# Altium PCB PCBV1.0.PcbDoc (part 1 of 2) (continued)
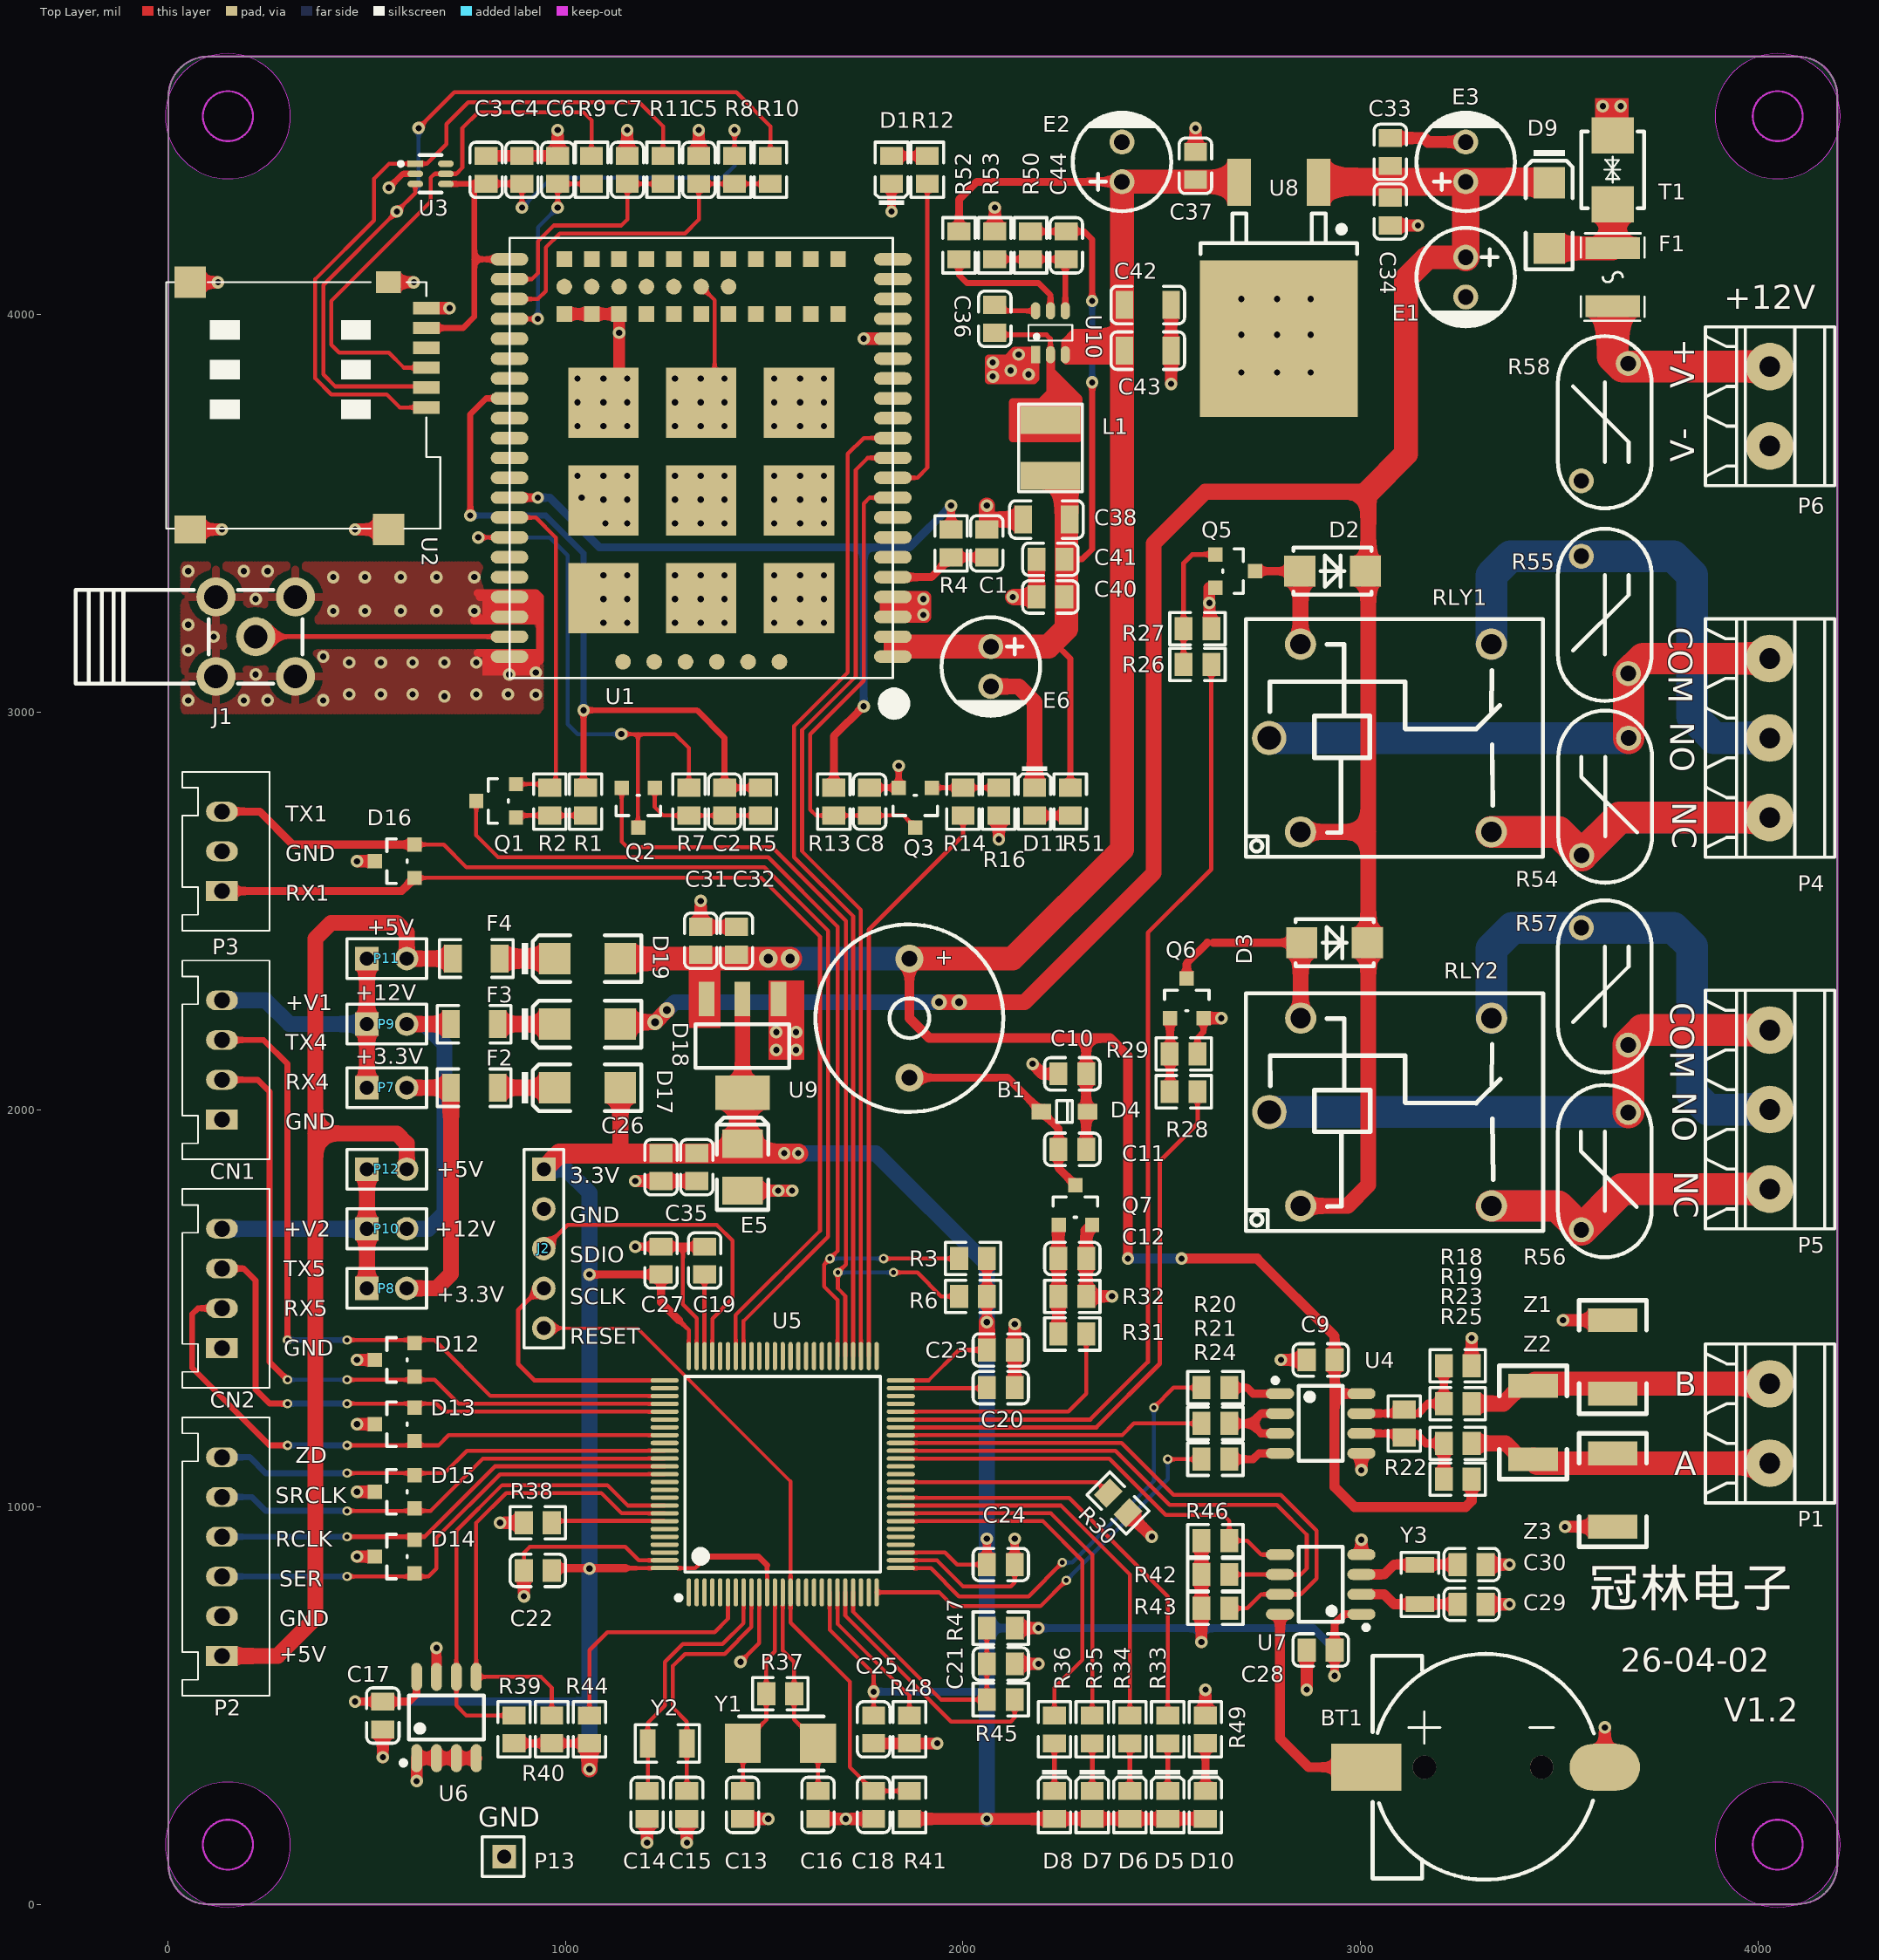
[diagram p0: Top Layer view]
## Components (designator, comment, footprint, x,y, rotation, side; value= is the part's Value field where it differs from the comment) (continued)
D11 "NCD0805R1" LC-0805_LED_S1 2180,2775 r270 top
D12 "PESD5V0L2BT,215" SOT-23 620,1328 r90 top
D13 "PESD5V0L2BT,215" SOT-23 620,1166 r90 top
D14 "PESD5V0L2BT,215" SOT-23 620,833 r90 top
D15 "PESD5V0L2BT,215" SOT-23 620,996 r90 top
D16 "PESD5V0L2BT,215" SOT-23 620,2583 r90 top
D17 "SS14" LC-SMA(DO-214AC)_S5 1055,2055 r0 top
D18 "SS14" LC-SMA(DO-214AC)_S5 1055,2215 r0 top
D19 "SS14" LC-SMA(DO-214AC)_S5 1055,2380 r0 top
E1 "220uF/25V" CAP-TH_BD6.3-P2.50 3265,4095 r180 top value=470uF
E2 "220uF/25V" CAP-TH_BD6.3-P2.50 2400,4385 r0 top
E3 "220uF/25V" CAP-TH_BD6.3-P2.50 3265,4385 r0 top
E5 "100uF/10V" 3528_B 1445,1855 r90 top value=10uF
E6 "220uF/25V" CAP-TH_BD6.3-P2.50 2070,3115 r180 top value=470uF/10V
F1 "JK-MSMD110-24V" F1812 3635,4095 r90 top
F2 "JK-NSMD025-24V" LC-1206_R 770,2055 r180 top
F3 "JK-NSMD025-24V" LC-1206_R 770,2215 r180 top
F4 "JK-NSMD025-24V" LC-1206_R 775,2380 r180 top
J1 "IPEX" ANT-TH_KH-SMA-K513-G 220,3190 r0 bottom
J2 "SWD" HDR1X5 945,1850 r270 top
L1 "SWPA4030S3R3MT" LC-4.0*4.0 2220,3665 r270 top value=10mH
P1 "5.08-2P" MKDSN_2RMI 4030,1110 r90 top
P2 "2.54-6P" 6PIN 135,625 r90 top
P3 "2.54-3P" 3PIN 135,2550 r90 top
P4 "5.08-3P" 5.08-3P 4030,2735 r90 top
P5 "5.08-3P" 5.08-3P 4030,1800 r90 top
P6 "5.08-2P" MKDSN_2RMI 4030,3670 r90 top
P7 "H2P" HDR1X2#1 500,2055 r0 top
P8 "H2P" HDR1X2#1 500,1550 r0 top
P9 "H2P" HDR1X2#1 500,2215 r0 top
P10 "H2P" HDR1X2#1 500,1700 r0 top
P11 "H2P" HDR1X2#1 500,2380 r0 top
P12 "H2P" HDR1X2#1 500,1850 r0 top
P13 "GND" HDR1X2#2 845,120 r180 top
Q1 "S8050 J3Y" SOT-23 875,2735 r90 top
Q2 "S8050 J3Y" SOT-23 1225,2810 r180 top
Q3 "S8050 J3Y" SOT-23 1922,2810 r180 top
Q5 "S8050 J3Y" SOT-23 2635,3397 r270 top
Q6 "S8050 J3Y" SOT-23 2521,2230 r0 top
Q7 "S8050 J3Y" SOT-23 2241,1710 r0 top
R1 "10K" LC-0805_R 1050,2775 r270 top
R2 "47K" LC-0805_R 960,2775 r270 top
R3 "4.7K" LC-0805_R 2025,1625 r180 top
R4 "10K" LC-0805_R 1970,3425 r90 top value=1K
R5 "10K" LC-0805_R 1490,2775 r270 top
R6 "4.7K" LC-0805_R 2025,1530 r180 top
R7 "47K" LC-0805_R 1310,2775 r270 top
R8 "22R" LC-0805_R 1425,4365 r90 top
R9 "22R" LC-0805_R 1065,4365 r90 top
R10 "22R" LC-0805_R 1515,4365 r270 top
R11 "22R" LC-0805_R 1245,4365 r90 top
R12 "3K" LC-0805_R 1910,4365 r270 top
R13 "100K" LC-0805_R 1675,2774.96 r90 top
R14 "4.7K" LC-0805_R 2000,2775 r90 top
R16 "47K" LC-0805_R 2090,2775.04 r90 top
R18 "47K" LC-0805_R 3245,1355 r0 top
R19 "22R" LC-0805_R 3245,1260 r0 top
R20 "22R" LC-0805_R 2635,1300 r0 top
R21 "22R" LC-0805_R 2635,1210 r0 top
R22 "1K" LC-0805_R 3110,1209.96 r90 top
R23 "22R" LC-0805_R 3245,1160 r0 top
R24 "22R" LC-0805_R 2635,1120 r0 top
R25 "47K" LC-0805_R 3245,1070 r180 top
R26 "4.7k" LC-0805_R 2590,3120 r180 top
R27 "47K" LC-0805_R 2590,3210 r180 top
R28 "4.7k" LC-0805_R 2555,2045 r180 top
R29 "47K" LC-0805_R 2555,2140 r180 top
R30 "10K" LC-0805_R 2390,1010 r315 top
R31 "4.7K" LC-0805_R 2275,1435 r180 top
R32 "3.3K" LC-0805_R 2275,1530 r180 top
R33 "2K" LC-0805_R 2515,439.96 r270 top
R34 "2K" LC-0805_R 2420,439.96 r270 top
R35 "2K" LC-0805_R 2325,439.96 r270 top
R36 "2K" LC-0805_R 2230,439.96 r270 top
R37 "1MR" LC-0805_R 1540,530 r180 top
R38 "10K" LC-0805_R 930,960 r180 top
R39 "4.7K" LC-0805_R 870,440.04 r270 top
R40 "4.7K" LC-0805_R 965,440.04 r270 top
R41 "10K" LC-0805_R 1865,250 r90 top
R42 "4.7K" LC-0805_R 2635,830 r180 top
R43 "10K" LC-0805_R 2635,745 r180 top
R44 "0R" LC-0805_R 1060,440 r90 top
R45 "0R" LC-0805_R 2094.96,515 r180 top
R46 "10K" LC-0805_R 2635,915 r180 top
R47 "0R" LC-0805_R 2094.96,695 r180 top
R48 "0R" LC-0805_R 1865,440 r270 top
R49 "3K" LC-0805_R 2610,440.04 r90 top
R50 "39K" LC-0805_R 2170,4175 r270 top value=1K
R51 "3K" LC-0805_R 2270,2775 r270 top
R52 "10K" LC-0805_R 1990,4175 r270 top value=1K
R53 "10K" LC-0805_R 2080,4175 r270 top value=1K
R54 "10D471K_C49072849" RES-TH_L11.0-W6.0-P7.50#1 3615.94,2787.36 r270 top
R55 "10D471K_C49072849" RES-TH_L11.0-W6.0-P7.50#2 3615,3245 r270 top
R56 "10D471K_C49072849" RES-TH_L11.0-W6.0-P7.50#1 3615,1845 r270 top
R57 "10D471K_C49072849" RES-TH_L11.0-W6.0-P7.50#2 3615,2310 r270 top
R58 "10D471K_C49072849" RES-TH_L11.0-W6.0-P7.50#1 3615,3730 r90 top
RLY1 "JQC-3FF/12VDC-1ZS(551)" RELAY-TH_HF3FF-XX-1ZXX-XXX 3050,2935 r0 top
RLY2 "JQC-3FF/12VDC-1ZS(551)" RELAY-TH_HF3FF-XX-1ZXX-XXX 3050.47,1993.78 r0 top
T1 "SMBJ24CA" SMB_L4.6-W3.6-LS5.3-BI 3635,4365 r270 top
U1 "WH-GM6" WH-GM6 1826.6,3082.26 r180 top
U2 "SIM_CARD" SIM_MICRO_6P 649.68,4017.09 r270 bottom
U3 "SMF05C" SOT-363 660,4355 r180 bottom
U4 "SP485EEN-L/TR" LC-SOIC-8_150mil 2900,1210 r270 top
U5 "STM32F407VET6" LC-LQFP-100_14x14x05P 1546.26,1082.24 r0 top
U6 "AT24C32" LC-SOIC-8_150mil 700,470 r0 top
U7 "DS1302S" LC-SOIC-8_150mil 2900,805 r90 top
U8 "L7805ABD2T-TR" LC-TO-263-2 2795,4333.7 r90 top
U9 "AMS1117-3.3" LC-SOT-223 1445,2160 r90 top
U10 "TPS563201DDCR" LC-SOT-23-6 2220,3955 r270 top
Y1 "8MHz" XTALSO 1446.02,405 r0 top
Y2 "32.768K" "LC-SMD-3215_2P FC - 135" 1255.79,405 r0 top
Y3 "32.768K" "LC-SMD-3215_2P FC - 135" 3150,805 r270 top
Z1 "SMAJ6.8CA" 1812 3635,1470 r270 top
Z2 "SMAJ6.8CA" 1812 3435,1305 r270 top
Z3 "SMAJ6.8CA" 1812 3635,1135 r270 top

## Footprints (in the part's own frame and the unit in brackets; to place one, negate y for a bottom-side part, rotate by r counter-clockwise, add the part's x,y. Pads: shape width x height; smd on the part's side, far side on the other; paste and mask are expansions set on the pad)
3PIN [mil]
  rect 50x80 hole 40: 1(0,0)
  oval 50x80 hole 40: 2(100,0) 3(200,0)
  silkscreen extent -100,-120 300,100
4PIN [mil]
  rect 50x80 hole 40: 1(0,0)
  oval 50x80 hole 40: 2(100,0) 3(200,0) 4(300,0)
  silkscreen extent -100,-120 400,100
5.08-3P [mil]
  round 120 hole 52: 1(0,0) 2(200,0) 3(400,0)
  silkscreen extent -100,-163 500,162
6PIN [mil]
  rect 50x80 hole 40: 1(0,0)
  oval 50x80 hole 40: 2(100,0) 3(200,0) 4(300,0) 5(400,0) 6(500,0)
  silkscreen extent -100,-120 600,100
1812 [mil]
  rect 60x125 smd: 1(0,0) 2(185,0)
  silkscreen extent -50,-85 235,85
3528_B [mm]
  rect 1.8x2.6 smd: 1(1.5,0) 2(-1.5,0)
  silkscreen extent -2.73,-1.65 3.16,1.65
ANT-TH_KH-SMA-K513-G [mm]
  round 2.5 hole 1.5: 1(0,0) 2(-2.54,-2.54) 2(-2.54,2.54) 2(2.54,-2.54) 2(2.54,2.54)
BAT-SMD_CR1220-2 [mm]
  rect 4.5x3 smd: 1(-7.62,0)
  oval 4.5x3 smd: 2(7.62,0)
  round 1.5 hole 1.5 unplated: ""(-3.912,0) ""(3.581,0)
  silkscreen extent -7.22,-7.19 6.92,7.25
BUZ-TH_BD12.0-P7.60-D0.6-FD [mm]
  round 1.8 hole 1: 1(-3.8,0) 2(3.8,0)
  silkscreen extent -6,-6 6,6
CAP-TH_BD6.3-P2.50 [mm]
  round 1.6 hole 1 paste+0.051: 1(0,-1.27) 2(0,1.27)
  silkscreen extent -3.15,-3.15 3.15,3.17
F1812 [mil]
  rect 55.38x137.76 smd paste-3937.01 mask+2: 1(-72.97,0) 2(72.97,0)
  silkscreen extent -110,-80 110,80
HDR1X2#1 [mm] "Connector; Header; 2 Position"
  rect 1.5x1.5 hole 0.9: 1(0,0)
  round 1.5 hole 0.9: 2(2.54,0)
  silkscreen extent -1.27,-1.27 3.81,1.27
HDR1X2#2 [mm] "Connector; Header; 2 Position"
  rect 1.5x1.5 hole 0.9: 1(0,0)
  silkscreen extent -1.27,-1.27 1.4,1.27
HDR1X5 [mm] "Connector; Header; 5 Position"
  rect 1.5x1.5 hole 0.9: 1(0,0)
  round 1.5 hole 0.9: 2(2.54,0) 3(5.08,0) 4(7.62,0) 5(10.16,0)
  silkscreen extent -1.27,-1.27 11.43,1.27
LC-4.0*4.0 [mil]
  rect 70x150 smd: 1(-70,0) 2(70,0)
  silkscreen extent -110,-80 110,80
LC-0805_C [mm]
  rect 1.16x1.47 smd: 1(-0.89,0) 2(0.89,0)
  silkscreen extent -1.77,-1.04 1.77,1.04, body extent -1,-0.62 1,0.63, height 0.77
LC-0805_LED_S1 [mm]
  rect 1.16x1.47 smd: 1(0.89,0) 2(-0.89,0)
  silkscreen extent -2.24,-1.04 1.77,1.03, body extent -1.01,-0.62 1.01,0.62, height 1.1
LC-0805_R [mm]
  rect 1.16x1.47 smd: 1(-0.89,0) 2(0.89,0)
  silkscreen extent -1.77,-1.04 1.77,1.03, body extent -1,-0.62 1,0.63, height 0.49
LC-1206_C [mm]
  rect 1.13x1.8 smd: 1(-1.49,0) 2(1.49,0)
  silkscreen extent -2.36,-1.2 2.35,1.2, body extent -1.6,-0.81 1.6,0.79, height 1
LC-1206_R [mm]
  rect 1.13x1.8 smd: 1(-1.49,0) 2(1.49,0)
  silkscreen extent -2.36,-1.2 2.35,1.2, body extent -1.7,-0.86 1.65,0.87, height 0.85
LC-LQFP-100_14x14x05P [mm]
  oval 0.28x1.8 smd mask+0.051: 1(-6,-7.55) 2(-5.5,-7.55) 3(-5,-7.55) 4(-4.5,-7.55) 5(-4,-7.55) 6(-3.5,-7.55) 7(-3,-7.55) 8(-2.5,-7.55) 9(-2,-7.55) 10(-1.5,-7.55) 11(-1,-7.55) 12(-0.5,-7.55) 13(0,-7.55) 14(0.5,-7.55) 15(1,-7.55) 16(1.5,-7.55) 17(2,-7.55) 18(2.5,-7.55) 19(3,-7.55) 20(3.5,-7.55) 21(4,-7.55) 22(4.5,-7.55) 23(5,-7.55) 24(5.5,-7.55) 25(6,-7.55) 51(6,7.55) 52(5.5,7.55) 53(5,7.55) 54(4.5,7.55) 55(4,7.55) 56(3.5,7.55) 57(3,7.55) 58(2.5,7.55) 59(2,7.55) 60(1.5,7.55) 61(1,7.55) 62(0.5,7.55) 63(0,7.55) 64(-0.5,7.55) 65(-1,7.55) 66(-1.5,7.55) 67(-2,7.55) 68(-2.5,7.55) 69(-3,7.55) 70(-3.5,7.55) 71(-4,7.55) 72(-4.5,7.55) 73(-5,7.55) 74(-5.5,7.55) 75(-6,7.55)
  oval 1.8x0.28 smd mask+0.051: 26(7.55,-6) 27(7.55,-5.5) 28(7.55,-5) 29(7.55,-4.5) 30(7.55,-4) 31(7.55,-3.5) 32(7.55,-3) 33(7.55,-2.5) 34(7.55,-2) 35(7.55,-1.5) 36(7.55,-1) 37(7.55,-0.5) 38(7.55,0) 39(7.55,0.5) 40(7.55,1) 41(7.55,1.5) 42(7.55,2) 43(7.55,2.5) 44(7.55,3) 45(7.55,3.5) 46(7.55,4) 47(7.55,4.5) 48(7.55,5) 49(7.55,5.5) 50(7.55,6) 76(-7.55,6) 77(-7.55,5.5) 78(-7.55,5) 79(-7.55,4.5) 80(-7.55,4) 81(-7.55,3.5) 82(-7.55,3) 83(-7.55,2.5) 84(-7.55,2) 85(-7.55,1.5) 86(-7.55,1) 87(-7.55,0.5) 88(-7.55,0) 89(-7.55,-0.5) 90(-7.55,-1) 91(-7.55,-1.5) 92(-7.55,-2) 93(-7.55,-2.5) 94(-7.55,-3) 95(-7.55,-3.5) 96(-7.55,-4) 97(-7.55,-4.5) 98(-7.55,-5) 99(-7.55,-5.5) 100(-7.55,-6)
  silkscreen extent -6.8,-8.05 6.25,6.25
LC-SMA(DO-214AC)_S2 [mm]
  rect 2x2 smd: 1(2.1,0) 2(-2.1,0)
  silkscreen extent -2.5,-1.5 2.5,1.5
LC-SMA(DO-214AC)_S5 [mm]
  rect 2x2 smd: 1(2.1,0) 2(-2.1,0)
  silkscreen extent -4.2,-1.5 3.43,1.5
"LC-SMD-3215_2P FC - 135" [mm]
  rect 1x1.8 smd: 1(-1.25,0) 2(1.25,0)
  silkscreen extent -2.05,-1.2 2.05,1.2
LC-SOD-123 [mm]
  rect 1.25x1 smd: 1(1.475,0) 2(-1.475,0)
  silkscreen extent -0.5,-0.7 0.5,0.7, body extent -1.85,-0.77 1.85,0.78, height 1.35
LC-SOIC-8_150mil [mm]
  oval 0.7x1.8 smd: 1(-1.905,-2.6) 2(-0.635,-2.6) 3(0.635,-2.6) 4(1.905,-2.6) 5(1.905,2.6) 6(0.635,2.6) 7(-0.635,2.6) 8(-1.905,2.6)
  silkscreen extent -2.9,-3.05 2.4,1.4
LC-SOT-23-6 [mm]
  rect 1.1x0.6 smd: 1(1.4,-0.95)
  oval 1.1x0.6 smd: 2(1.4,0) 3(1.4,0.95) 4(-1.4,0.95) 5(-1.4,0) 6(-1.4,-0.95)
  silkscreen extent -0.5,-1.4 0.5,1.4
LC-SOT-223 [mm]
  rect 2.2x1 smd: 1(3,-2.3) 2(3,0) 3(3,2.3)
  rect 2.2x3.5 smd: 4(-3,0)
  silkscreen extent -1.4,-3 1.4,3, body extent -3.49,-3.24 3.49,3.24, height 1.64
LC-TO-263-2 [mm]
  rect 3x1.5 smd: 1(0,-2.54) 3(0,2.54)
  rect 10x10.1 smd: 2(-10,0)
  silkscreen extent -4.6,-5 -2,5
MKDSN_2RMI [mil]
  round 120 hole 52: 1(0,0) 2(200,0)
  silkscreen extent -100,-163 300,162
RELAY-TH_HF3FF-XX-1ZXX-XXX [mm]
  round 2 hole 1.3 paste+0.051: 1(-5.1,-6) 2(-5.1,6) 3(7.1,6) 5(7.1,-6)
  round 2.2 hole 1.5 paste+0.051: 4(-7.1,0)
  silkscreen extent -8.6,-7.6 10.4,7.6
RES-TH_L11.0-W6.0-P7.50#1 [mm]
  round 1.6 hole 1 paste+0.051: 1(-3.75,1.5)
  round 1.6 hole 1 copper offset 0,0 paste+0.051: 2(3.75,-1.5)
  silkscreen extent -5.51,-3 5.5,3
RES-TH_L11.0-W6.0-P7.50#2 [mm]
  round 1.6 hole 1 paste+0.051: 1(-3.75,-1.5)
  round 1.6 hole 1 copper offset 0,0 paste+0.051: 2(3.75,1.5)
  silkscreen extent -5.51,-3 5.5,3
SIM_MICRO_6P [mm]
  rect 0.8x1.7 smd far side: 1(1.27,0) 2(3.81,0) 3(6.35,0) 4(0,0) 5(2.54,0) 6(5.08,0)
  rect 1.4x1.6 smd far side: 7(-1.65,2.425)
  rect 2x2 smd far side: 8(14.15,2.425) 9(-1.65,15.105)
  rect 1.8x2 smd far side: 10(14.15,15.105)
  Bottom Layer pour cut-out: 3.302,5.461 4.572,5.461 4.572,3.556 3.302,3.556
  Bottom Layer pour cut-out: 5.842,13.843 7.112,13.843 7.112,11.938 5.842,11.938
  Bottom Layer pour cut-out: 3.302,13.843 4.572,13.843 4.572,11.938 3.302,11.938
  Bottom Layer pour cut-out: 0.762,13.843 2.032,13.843 2.032,11.938 0.762,11.938
  Bottom Layer pour cut-out: 5.842,5.461 7.112,5.461 7.112,3.556 5.842,3.556
  Bottom Layer pour cut-out: 0.762,5.461 2.032,5.461 2.032,3.556 0.762,3.556
SMB_L4.6-W3.6-LS5.3-BI [mm]
  rect 2.3x2.7 smd: 1(-2.2,0) 2(2.2,0)
  silkscreen extent -2.45,-2 2.45,2
SOT-23 [mil]
  rect 36x36 smd: 1(0,0) 2(84,0) 3(42,100)
  silkscreen extent -14,19 98,70
SOT-363 [mm]
  rect 1x0.42 smd far side mask+0.051: 1(0.975,0.65)
  oval 1x0.42 smd far side mask+0.051: 2(0.975,0) 3(0.975,-0.65) 4(-0.975,-0.65) 5(-0.975,0) 6(-0.975,0.65)
WH-GM6 [mm]
  oval 2.4x0.8 smd mask+0.025: 1(0.082,-1.467) 2(0.082,-2.737) 3(0.082,-4.007) 4(0.082,-5.277) 5(0.082,-6.547) 6(0.082,-7.817) 7(0.082,-9.087) 8(0.082,-10.357) 9(0.082,-11.627) 10(0.082,-12.897) 11(0.082,-14.167) 12(0.082,-15.437) 13(0.082,-16.707) 14(0.082,-17.977) 15(0.082,-19.247) 16(0.082,-20.517) 17(0.082,-21.787) 18(0.082,-23.057) 19(0.082,-24.327) 20(0.082,-25.597) 21(0.082,-26.867) 22(24.582,-26.867) 23(24.582,-25.597) 24(24.582,-24.327) 25(24.582,-23.057) 26(24.582,-21.787) 27(24.582,-20.517) 28(24.582,-19.247) 29(24.582,-17.977) 30(24.582,-16.707) 31(24.582,-15.437) 32(24.582,-14.167) 33(24.582,-12.897) 34(24.582,-11.627) 35(24.582,-10.357) 36(24.582,-9.087) 37(24.582,-7.817) 38(24.582,-6.547) 39(24.582,-5.277) 40(24.582,-4.007) 41(24.582,-2.737) 42(24.582,-1.467)
  rect 1x1 smd mask+0.025: 43(3.582,-26.867) 44(5.332,-26.867) 45(7.082,-26.867) 46(8.832,-26.867) 47(10.582,-26.867) 48(12.332,-26.867) 49(14.082,-26.867) 50(15.832,-26.867) 51(17.582,-26.867) 52(19.332,-26.867) 53(21.082,-26.867) 54(3.582,-23.367) 66(5.332,-23.367) 67(7.082,-23.367) 68(8.832,-23.367) 69(10.582,-23.367) 70(12.332,-23.367) 71(14.082,-23.367) 72(15.832,-23.367) 73(17.582,-23.367) 74(19.332,-23.367) 75(21.082,-23.367)
  rect 4.5x4.5 smd mask+0.025: 55(6.082,-5.197) 56(12.332,-5.197) 57(18.582,-5.197) 58(18.582,-11.447) 59(12.332,-11.447) 60(6.082,-11.447) 61(6.082,-17.697) 62(12.332,-17.697) 63(18.582,-17.697)
  round 1 smd mask+0.025: 64(10.582,-25.117) 65(12.332,-25.117) 76(14.082,-25.117) 77(15.832,-25.117) 78(17.582,-25.117) 79(19.332,-25.117) 80(21.082,-25.117) 81(7.332,-1.137) 82(9.332,-1.137) 83(11.332,-1.137) 84(13.332,-1.137) 85(15.332,-1.137) 86(17.332,-1.137)
  silkscreen extent -1.02,-28.24 24.58,2.56
XTALSO [mm]
  rect 2.3x2.5 smd: 1(0,0) 2(4.8,0)
  silkscreen extent -0.25,-1.73 5.17,1.73

## Part data
B1: library part TMB12A05_C96093, Current Consumption=-, JLCPCB Part Class="Extended Part", LCSC Part Name=TMB12A05, Manufacturer=华能, Voltage - Supply=4V~8V, Add into BOM=yes, Convert to PCB=yes, Datasheet=https://atta.szlcsc.com/upload/public/pdf/source/20241025/8A17FE04D767D19A35A06DEF9A82AB1E.pdf, Device=TMB12A05_C96093, Diameter(φD)=12mm, Driver Circuitry=有源(内含驱动线路), HEIGHT=9.8mm, Length=-, Manufacturer Part=TMB12A05, Operating Temperature=-, Sound Pressure Level(SPL)=85dB, Supplier=LCSC, Supplier Footprint=插件,D=12mm, Supplier Part=C96093, Symbol=TMB12A05, Technology=电磁式, Voltage Rating=-, Width=-
BT1: library part 1056TR, BOM_Manufacturer=Keystone, BOM_Manufacturer Part=1056TR, BOM_Supplier=LCSC, BOM_Supplier Part=C238068, Contributor=LCSC, spicePre=B, spiceSymbolName=1056TR
C1 C2 C3 C4 C5 C6 C7 C8 C9 C10 C11 C12 C13 C16 C17 C18 C19 C20 C21 C22 C23 C24 C25 C26 C27 C32 C35 C36 C37 C38 C40 C41 C42 C43 C44: library part CAP, "Capacitor"
  C1 C3 C4 C5 C6 C7 C9 C13 C16 C17 C18 C19 C20 C21 C22 C23 C24 C25 C26 C27 C40 C41: Published=8-Jun-2000, Publisher="Altium Limited", Revision="July-2002: Re-released for DXP Platform."
C14 C15 C28 C29 C30: library part 普通电容, "Capacitor"
C31 C33 C34: library part Cap, "Capacitor", LatestRevisionDate=17-Jul-2002, LatestRevisionNote="Re-released for DXP Platform.", Published=8-Jun-2000, Publisher="Altium Limited"
CN1 CN2: library part PJ-320D_C431535, Current Rating (Max)=500mA, JLCPCB Part Class="Extended Part", LCSC Part Name=3.5mm耳机座, Manufacturer="SHOU HAN(首韩)", Operating Temperature Range=-30℃~+70℃, Voltage Rating (Max)=50V, Add into BOM=yes, Connector Type=3.5mm耳机座, Contact Material=ͭ, Contact Plating=银, Convert to PCB=yes, Datasheet=https://atta.szlcsc.com/upload/public/pdf/source/20190925/C431535_8B274506621F6117FB020BF07A197848.pdf, Device=PJ-320D_C431535, Manufacturer Part=PJ-320D, Supplier=LCSC, Supplier Footprint=SMD, Supplier Part=C431535, Symbol=PJ-320D
D1 D5 D6 D7 D8: library part LED2, "Typical RED, GREEN, YELLOW, AMBER GaAs LED", LatestRevisionDate=17-Jul-2002, LatestRevisionNote="Re-released for DXP Platform.", PackageDescription="SM LED; 2 Flat Leads", PackageReference=3.2X1.6X1.1, PackageVersion=Feb-2002, Published=8-Jun-2000, Publisher="Altium Limited"
D2 D3: library part Diode, "Default Diode", Code_JEDEC=DO-214-AB, LatestRevisionDate=17-Jul-2002, LatestRevisionNote="Re-released for DXP Platform.", PackageDescription="DO-214-AB/SMC; 2 C-Bend Leads; Body 7.9 x 5.9 mm, inc. leads (LxW)", PackageReference=SMC, PackageVersion=Sep-1996, Published=8-Jun-2000, Publisher="Altium Limited"
D4: library part DIODE, "Diode"
D9 D17 D18 D19: library part CONSTANT, "constant diode"
D10 D11: library part LED3, "Typical BLUE SiC LED", DatasheetVersion=16-Apr-2002, LatestRevisionDate=17-Dec-2003, LatestRevisionNote="PCB Footprint replaced.", PackageDescription="SM LED; 2 C-Bend Leads; Body 3.5 x 2.8 x 1.9 mm, inc leads (LxWxH typ)", PackageReference=3.5X2.8X1.9, PackageVersion=16-Apr-2002, Published=8-Jun-2000, Publisher="Altium Limited"
E1: library part 35YXJ470M10x16, JLCPCB Part Class=扩展库, LCSC Part Name="470uF ±20% 35V", Lifetime @ Temp=10000hrs@105℃, Manufacturer=rubycon(红宝石), Rated Voltage=35V, Tolerance=±20%, Add into BOM=yes, Convert to PCB=yes, Datasheet=https://atta.szlcsc.com/upload/public/pdf/source/20190927/C432444_D90212164DBC1B856ABE912664018FD4.pdf, Device=35YXJ470M10x16, L=16mm, Lead Spacing=5mm, Manufacturer Part=35YXJ470M10x16, Supplier=LCSC, Supplier Footprint=插件,D10xL16mm, Supplier Part=C88732, Symbol=35YXJ470M10x16, φD=10mm
E2 E3 E5: library part "Cap Pol1", "Polarized Capacitor (Radial)", Published=8-Jun-2000, Publisher="Altium Limited"
  E2 E3: LatestRevisionDate=17-Jul-2002, LatestRevisionNote="Re-released for DXP Platform.", PackageReference=RB7.6-15
  E5: Revision="July-2002: Re-released for DXP Platform."
E6: library part CAP2, "Bi-Polar Capacitor"
F1: Current - Max=100A, Hold Current=1.1A, JLCPCB Part Class=扩展库, LCSC Part Name="24V 1.1A 1812自恢复", Manufacturer=JK(金科), Operating Temperature=-40℃~+85℃, Resistance - Initial (Ri) (Min)=50mΩ, Resistance - Post Trip (R1) (Max)=250mΩ, Trip Current=2.2A, Voltage - Max=24V, Add into BOM=yes, Convert to PCB=yes, Datasheet=https://item.szlcsc.com/datasheet/JK-MSMD110-24V/343085.html, Device=JK-MSMD110-24V, HEIGHT=1.3mm, Length=4.73mm, Manufacturer Part=JK-MSMD110-24V, Pitch=-, Supplier=LCSC, Supplier Footprint=1812, Supplier Part=C369172, Symbol=JK-MSMD110-24V, Time to Trip(Max)=300ms, Width=3.41mm
F2 F3 F4: library part JK-MSMD110-24V, Current - Max=100A, Hold Current=1.1A, JLCPCB Part Class=扩展库, LCSC Part Name="24V 1.1A 1812自恢复", Manufacturer=JK(金科), Operating Temperature=-40℃~+85℃, Resistance - Initial (Ri) (Min)=50mΩ, Resistance - Post Trip (R1) (Max)=250mΩ, Trip Current=2.2A, Voltage - Max=24V, Add into BOM=yes, Convert to PCB=yes, Datasheet=https://item.szlcsc.com/datasheet/JK-MSMD110-24V/343085.html, Device=JK-MSMD110-24V, HEIGHT=1.3mm, Length=4.73mm, Manufacturer Part=JK-MSMD110-24V, Pitch=-, Supplier=LCSC, Supplier Footprint=1812, Supplier Part=C369172, Symbol=JK-MSMD110-24V, Time to Trip(Max)=300ms, Width=3.41mm
J2: library part CON5, "Connector"
L1: library part Inductor, "Inductor", Code_IEC=1005, Code_JEITA=0402, LatestRevisionDate=29-May-2009, LatestRevisionNote="IPC-7351 Footprint Added.", PackageDescription="Chip Inductor", PackageReference=0402-A, Published=8-Jun-2000, Publisher="Altium Limited"
P1 P6 P7 P8 P9 P10 P11 P12 P13: library part "Header 2", "Header, 2-Pin", LatestRevisionDate=17-Jul-2002, LatestRevisionNote="Re-released for DXP Platform.", Publisher="Altium Limited"
P2: library part "Header 6", "Header, 6-Pin", LatestRevisionDate=17-Jul-2002, LatestRevisionNote="Re-released for DXP Platform.", Publisher="Altium Limited"
P3 P4 P5: library part "Header 3", "Header, 3-Pin", LatestRevisionDate=17-Jul-2002, LatestRevisionNote="Re-released for DXP Platform.", Publisher="Altium Limited"
Q1 Q2 Q3 Q5 Q6 Q7: library part 2N5551, Text Field1=20, Text Field2=20
R1 R2 R3 R5 R6 R7 R12 R13 R14 R16 R18 R20 R21 R23 R24 R25 R27 R29 R30 R31 R32 R33 R34 R35 R36 R38 R41 R44 R45 R47 R48: library part RES22, "1K"
R4 R50 R52 R53: library part Res2, "Resistor", LatestRevisionDate=17-Jul-2002, LatestRevisionNote="Re-released for DXP Platform.", PackageDescription="Axial Device, Thru-Hole; 2 Leads; 0.4 in Pin Spacing", PackageReference=AXIAL-0.4, Published=8-Jun-2000, Publisher="Altium Limited"
R8 R9 R10 R11 R26 R28 R39 R40: library part RES2
R19 R22: library part RES22
R37 R42 R43 R46 R49 R51: library part R
R54 R55 R56 R57 R58: library part 14D471K_C49069733, Symbol=14D471K_C49069733
T1: library part SMBJ24CA_C78416, Breakdown Voltage=26.7V, JLCPCB Part Class=扩展库, LCSC Part Name="24V截止 15.5A峰值脉冲", Manufacturer=Brightking(君耀电子), Maximum Clamping Voltage=38.9V, Peak Pulse Current (Ipp)=15.5A, Reverse Stand-Off Voltage (Vrwm)=24V, Add into BOM=yes, Convert to PCB=yes, Datasheet=https://atta.szlcsc.com/upload/public/pdf/source/20181127/C309995_EB3DFB9F9AEE5D2146ECD9FA5992A402.pdf, Device=SMBJ24CA_C78416, Manufacturer Part=SMBJ24CA, Supplier=LCSC, Supplier Footprint=SMB(DO-214AA), Supplier Part=C78416, Symbol=SMBJ24CA_C78416, Type=TVS
U4: library part MAX483, "*"
U5: JLCPCB Part Class="Extended Part", LCSC Part Name="带DSP和FPU的高性能基础系列ARM Cortex-M4 MCU，具有512 KB Flash、168 MHz CPU、ART加速器、以太网和FSMC", Manufacturer=ST(意法半导体), Voltage - Supply=1.8V~3.6V, ADC (Bit)=12bit, Add into BOM=yes, Applications=-, Convert to PCB=yes, CPU Core=ARM-M4, CPU Maximum Speed=168MHz, DAC (Bit)=12bit, Datasheet=https://atta.szlcsc.com/upload/public/pdf/source/20140801/1457707197138.pdf, Device=STM32F407VET6, Manufacturer Part=STM32F407VET6, Number of I/O=82, Program Memory Type=FLASH, Program Storage Size=512KB, Supplier=LCSC, Supplier Footprint=LQFP-100(14x14), Supplier Part=C28730, Symbol=STM32F407VET6
U6: library part 24C64
U7: "Trickle Charge Timekeeping Chip", ComponentLink1Description="Manufacturer Link", ComponentLink1URL=http://www.maxim-ic.com/, ComponentLink2Description=Datasheet, ComponentLink2URL=http://pdfserv.maxim-ic.com/en/ds/DS1302.pdf, ComponentLink3Description="Discontinuation Notice", ComponentLink3URL=http://www.maxim-ic.com/qa/pdfs/non-obsolescence-letter.pdf, DatasheetVersion=2-Jul-1999, LatestRevisionDate=13-Apr-2006, LatestRevisionNote="IPC-7351 Footprint Added.", PackageDescription="8-Pin Small Outline Package 1.27 mm Pitch", PackageReference=SOIC8WA, PackageVersion=1994, Published=13-Oct-2000, Publisher="Altium Limited"
U8: library part L7805CV-DG, Dropout Voltage=2V@(1A), JLCPCB Part Class="Extended Part", LCSC Part Name=正稳压器IC, Manufacturer=ST(意法半导体), Maximum Input Voltage=35V, Operating Temperature=0℃~+125℃, Output Current=1.5A, Output Voltage=5V, Power Supply Rejection Ratio (PSRR)=62dB@(120Hz), standby current=8mA, Add into BOM=yes, Convert to PCB=yes, Datasheet=https://atta.szlcsc.com/upload/public/pdf/source/20140724/1457707163191.pdf, Device=L7805CV-DG, Feature=短路保护；热保护(TSD)；过流保护(OCP), Manufacturer Part=L7805CV-DG, Number of Outputs=1, Output Polarity=正极, Output Type=固定, Supplier=LCSC, Supplier Footprint=TO-220, Supplier Part=C3795, Symbol=L7805CV-DG
U9: library part "Volt Reg", "Voltage Regulator", Code_JEDEC=SMD-220, LatestRevisionDate=17-Jul-2002, LatestRevisionNote="Re-released for DXP Platform.", Published=24-Mar-1999, Publisher="Altium Limited"
U10: Input Voltage=4.5V~17V, JLCPCB Part Class="Extended Part", LCSC Part Name="降压型 Vin=4.5V~17V Vout=768mV~7V 3A", Manufacturer=TI(德州仪器), Operating Temperature=-40℃~+125℃@(TJ), Output Current (Max)=3A, Output Voltage=768mV~7V, Switching Frequency=580kHz, Add into BOM=yes, Convert to PCB=yes, Datasheet=https://atta.szlcsc.com/upload/public/pdf/source/20170707/1499421477081.pdf, Device=TPS563201DDCR, Function=降压型, Manufacturer Part=TPS563201DDCR, Name=TPS563201DDCR, Number of Outputs=1, Output Type=可调, Supplier=LCSC, Supplier Footprint=SOT-23-Thin-6, Supplier Part=C116592, Symbol=TPS563201DDCR, Synchronous Rectification=是, Topology=降压式
Y1: library part CRYSTAL, "Crystal"
Y2 Y3: library part XTAL, "Crystal Oscillator", LatestRevisionDate=17-Jul-2002, LatestRevisionNote="Re-released for DXP Platform.", PackageDescription="Crystal, Thru-Hole; 2 Leads; Body 3.1 x 8.2 mm (Dia.xH)", PackageReference=R38, Published=8-Jun-2000, Publisher="Altium Limited"
Z1 Z2 Z3: library part BANQIAO, "DIODE BRIDGE"
D12 D13 D14 D15 D16: Symbol=PESD5V0L2BT,215
RLY1 RLY2: Symbol=JQC-3FF/12VDC-1ZS(551)
U1: PCB DECAL=WH-GM6

## Via types
v1: diameter 31.5, hole 15.75, Top Layer to Bottom Layer, tented both sides, 119 vias
v2: diameter 31.5, hole 15.75, Top Layer to Bottom Layer, 107 vias
v3: diameter 23.62, hole 11.81, Top Layer to Bottom Layer, 20 vias
v4: diameter 39.37, hole 19.68, Top Layer to Bottom Layer, 4 vias
v5: diameter 47.24, hole 23.62, Top Layer to Bottom Layer, 2 vias

## Nets (pads, with @x,y where several pads share a name; then routed paths per layer and width w, separated by ;. In a path a pad name is that pad's centre, name@x,y a point inside that pad or via, vN(x,y) a via of type N, cw(c..) or ccw(c..) an arc to the next point about the centre after c; other vN are vias at no path point)
+3.3V: C17.1 C22.2 C23.2 C24.2 C25.2 C26.2 C27.2 C28.1 C35.1 D5.1 D6.1 D7.1 D8.1 D10.1 D17.1 E5.1 J2.1 R3.1 R6.1 R39.2 R40.2 R41.1 R42.2 R43.2 R44.1 R46.2 R47.1 U5.11 U5.19 U5.28 U5.50 U5.75 U5.100 U6.8 U7.1 U9.2 U9.4 | length 10717.2
  Top Layer w10: C22.2@965.04,845 C22.2@966.06,846.02 ; 1151.02,846.02 U5.100@1249.02,846.02 1326.02,846.02 1345,865 ; 1285.02,1469.98 1310.04,1444.96 U5.75@1310.04,1379.49 ; U5.11@1506.89,785 1506.89,853.11 ; U5.19@1664.37,785 1664.37,690.63 1775,580 v2(1775,535) 1775,480.08 C25.2@1780,475.08 ; U5.28@1843.5,885.39 1954.61,885.39 1985,855 C24.2@2059.96,855 ; U5.50@1843.5,1318.46 1913.46,1318.46 1990,1395 C23.2@2059.96,1395
  Top Layer w15: 1345,865 1355,875 1485,875 1506.89,853.11
  Top Layer w20: v2(470,510) C17.1@540,510 605,510 625,530 U6.8@625,572.36 ; R39.2@870,405 R40.2@965,405 R44.1@1060,404.96 R44.1@1060,404.96 ; C22.2@966.06,846.02 1151.02,846.02 ; v2(1060,1584.96) C27.2@1240,1584.96 1240,1515 1285.02,1469.98 ; C24.2@2059.96,855 v2(2059.96,919.96) ; v2(2060,1465) R3.1@2060.04,1625 ; v2(2935.04,575) C28.1@2935.04,640 2935.04,705.04 2960,730 U7.1@3002.36,730
  Top Layer w30: R41.1@1870,214.96 1870.04,215 2040,215 ; v2(2060,215) v2(2060,215) 2040,215 ; 2110.04,214.96 D10.1@2610,214.96 ; R47.1@2130,695 v2(2190,695) ; D8.1@2230,214.92 2040.08,214.92 2040,215 ; R46.2@2599.96,915 R42.2@2599.96,830 R43.2@2599.96,745 R43.2@2599.96,745 v2(2600,660)
  Top Layer w35: E5.1@1445,1914.06 E5.1@1470,1889.06
  Top Layer w38: U9.4@1445,2041.89 U9.2@1445,2248.11
  Top Layer w40: v2(1060,340) R44.1@1060,404.96 ; 1137.68,1889.06 D17.1@1137.68,2055 ; C23.2@2059.96,1395 C23.2@2059.96,1395 v2(2060,1465)
  Top Layer w50: J2.1@945,1850 984.06,1889.06 1137.68,1889.06 1470,1889.06 v2@1585,1889.06
  Top Layer w60: E5.1@1445,1914.06 U9.4@1445,2041.89
  Bottom Layer w10: 2054.96,535 2059.96,540
  Bottom Layer w20: v2(470,510) 1060,510 ; v2(1775,535) 2054.96,535 ; 2059.96,695 v2(2190,695) 2600,695 ; v2(2600,660) 2600,695 ; v2(2935.04,575) 2935.04,640.96 2881,695 2600,695
  Bottom Layer w40: J2.1@945,1850 1000,1850 1060,1790 v2(1060,1584.96) v2(1060,845) 1060,510 v2(1060,340) ; v2(1550,1890) v2(1585,1890) 1780,1890 2060,1610 v2(2060,1465) v2(2059.96,919.96) v2(2059.96,919.96) 2059.96,695 2059.96,540 2060,539.96 v2(2060,215)
+3.8V: C38.1 C40.1 C41.1 C44.1 E6.1 L1.2 R50.1 R51.1 U1.1 U1.2 | length 1963.8
  Top Layer w15: R50.1@2185,4210.04 C44.1@2260,4210.04 2304.96,4210.04 2325,4190 v2(2325,4035) ; 2230,3175 2270,3135 R51.1@2270,2810.04 ; C41.1@2275,3385 2300,3385 2325,3410 v2(2325,3830)
  Top Layer w60: E6.1@2065,3165 E6.1@2070,3165 2215,3165 2260,3210 L1.2@2260,3590
  Bottom Layer w15: v2(2325,3830) v2(2325,4035)
+5V: B1.1 C9.2 C10.1 C11.1 C31.1 C32.1 C37.2 C42.1 C43.1 D4.2 D19.1 E2.1 R25.1 R52.1 U4.8 U8.3 U9.3 U10.3 | length 7272.8
  Top Layer w20: R52.1@1990,4210.04 1990,4290 2035,4335 E2.1@2400,4335 ; U10.3@2257.4,3887.6 U10.3@2257.4,3899.88 2257.4,3932.4 2280,3955 2400,3955 ; U10.3@2260,3885 2381.34,3885 2400,3903.66 C43.1@2406.34,3910
  Top Layer w25: B1.1@1865,2379.61 1865,2230 1915,2180 2310.04,2180 ; C11.1@2310.04,1900 C10.1@2310.04,2090 2310.04,2180 ; v2(2415,1625) 2415,2135 2370,2180 2310.04,2180 ; v2(2550,1625) 2740,1625 2935.04,1429.96 C9.2@2935.04,1370 2935.04,1285 ; U4.8@3002.36,1285 2935.04,1285 ; R25.1@3280.04,1070 3280.04,1015.04 3265,1000 2985,1000 2935.04,1049.96 2935.04,1285
  Top Layer w60: D19.1@1137.68,2380 v5(1510,2380) v5(1565,2380) ; B1.1@1864.21,2380 2125,2380 2400,2655 2400,3903.66 2400,3955 E2.1@2400,4335 2693.7,4335 U8.3@2695,4333.7
  Bottom Layer w25: v2(2415,1625) v2(2550,1625)
  Bottom Layer w60: v5(1510,2380) v5(1565,2380) B1.1@1864.21,2380
+5V': F4.2 P2.1 P11.2 P12.2 | length 2728
  Top Layer w40: P2.1@135,625 275,625 370,720 370,1940 ; P12.2@600,1850 600,1915 575,1940 370,1940 ; F4.2@716.34,2380 P11.2@600,2380 600,2445 575,2470 410,2470 370,2430 370,1940
+12V'': C33.1 C34.1 D2.2 D3.2 D9.2 D18.1 E1.1 E3.1 RLY1.1 RLY2.1 U8.1 | length 6629.8
  Top Layer w40: D18.1@1137.68,2220 v4(1225,2220) v4(1255,2250) ; v4(1940,2270) v4(1990,2270) 2155,2270 2480,2595 2480,3425 2610,3555 3020,3555 3020,2698.78 ; RLY1.1@2849.21,2698.78 3020,2698.78 ; RLY2.1@2849.69,1757.56 2967.56,1757.56 3020,1810 3020,2698.78
  Top Layer w60: 3020,3555 3115,3650 3115,4090 3170,4145 E1.1@3265,4145 ; D9.2@3472.68,4335 D9.2@3475,4332.68
  Top Layer w70: U8.1@2905,4335 E3.1@3265,4335 ; E1.1@3265,4145 E3.1@3265,4335 ; D9.2@3472.68,4335 E3.1@3265,4335
  Bottom Layer w40: v4(1225,2220) v4(1255,2250) 1275,2270 v4(1940,2270) v4(1990,2270)
+12V_IN: F1.1 P6.2 R58.2 | length 515.4
  Top Layer w80: F1.1@3635,4005 3635,3895 3660,3870 P6.2@4030,3870
+V1: CN1.4 P7.1 P9.1 P11.1 | length 714.9
  Top Layer w40: P7.1@500,2055 P9.1@500,2215 P11.1@500,2380
  Bottom Layer w40: CN1.4@135,2275 245,2275 305,2215 P9.1@500,2215
+V2: CN2.4 P8.1 P10.1 P12.1 | length 665
  Top Layer w40: P8.1@500,1550 P10.1@500,1700 P12.1@500,1850
  Bottom Layer w40: CN2.4@135,1700 P10.1@500,1700
A: P1.1 R23.2 Z2.2 Z3.1 | length 770.7
  Top Layer w40: R23.2@3280.04,1160 3365,1160 3405,1120 Z2.2@3435,1120
  Top Layer w60: Z2.2@3435,1120 3445,1110 P1.1@4030,1110
AT_RXD: Q2.3 R7.1 U1.36 | length 1412.3
  Top Layer w10: v2(780,3440) U1.36@858.82,3440 ; v2(1140,2945) 1182,2945 ; Q2.3@1182,2710 1182,2945 ; R7.1@1310,2810.04 1310,2910 1275,2945 1182,2945
  Bottom Layer w10: v2(780,3440) 960,3440 1005,3395 1005,2970 1030,2945 v2(1140,2945)
AT_TXD: Q1.2 R2.1 U1.35 | length 861.8
  Top Layer w10: U1.35@858.82,3490 925,3490 975,3440 975,2825.04 R2.1@960,2810.04 951.04,2819 Q1.2@875,2819